# Altium PCB 400432.PcbDoc (part 2 of 6) (continued)
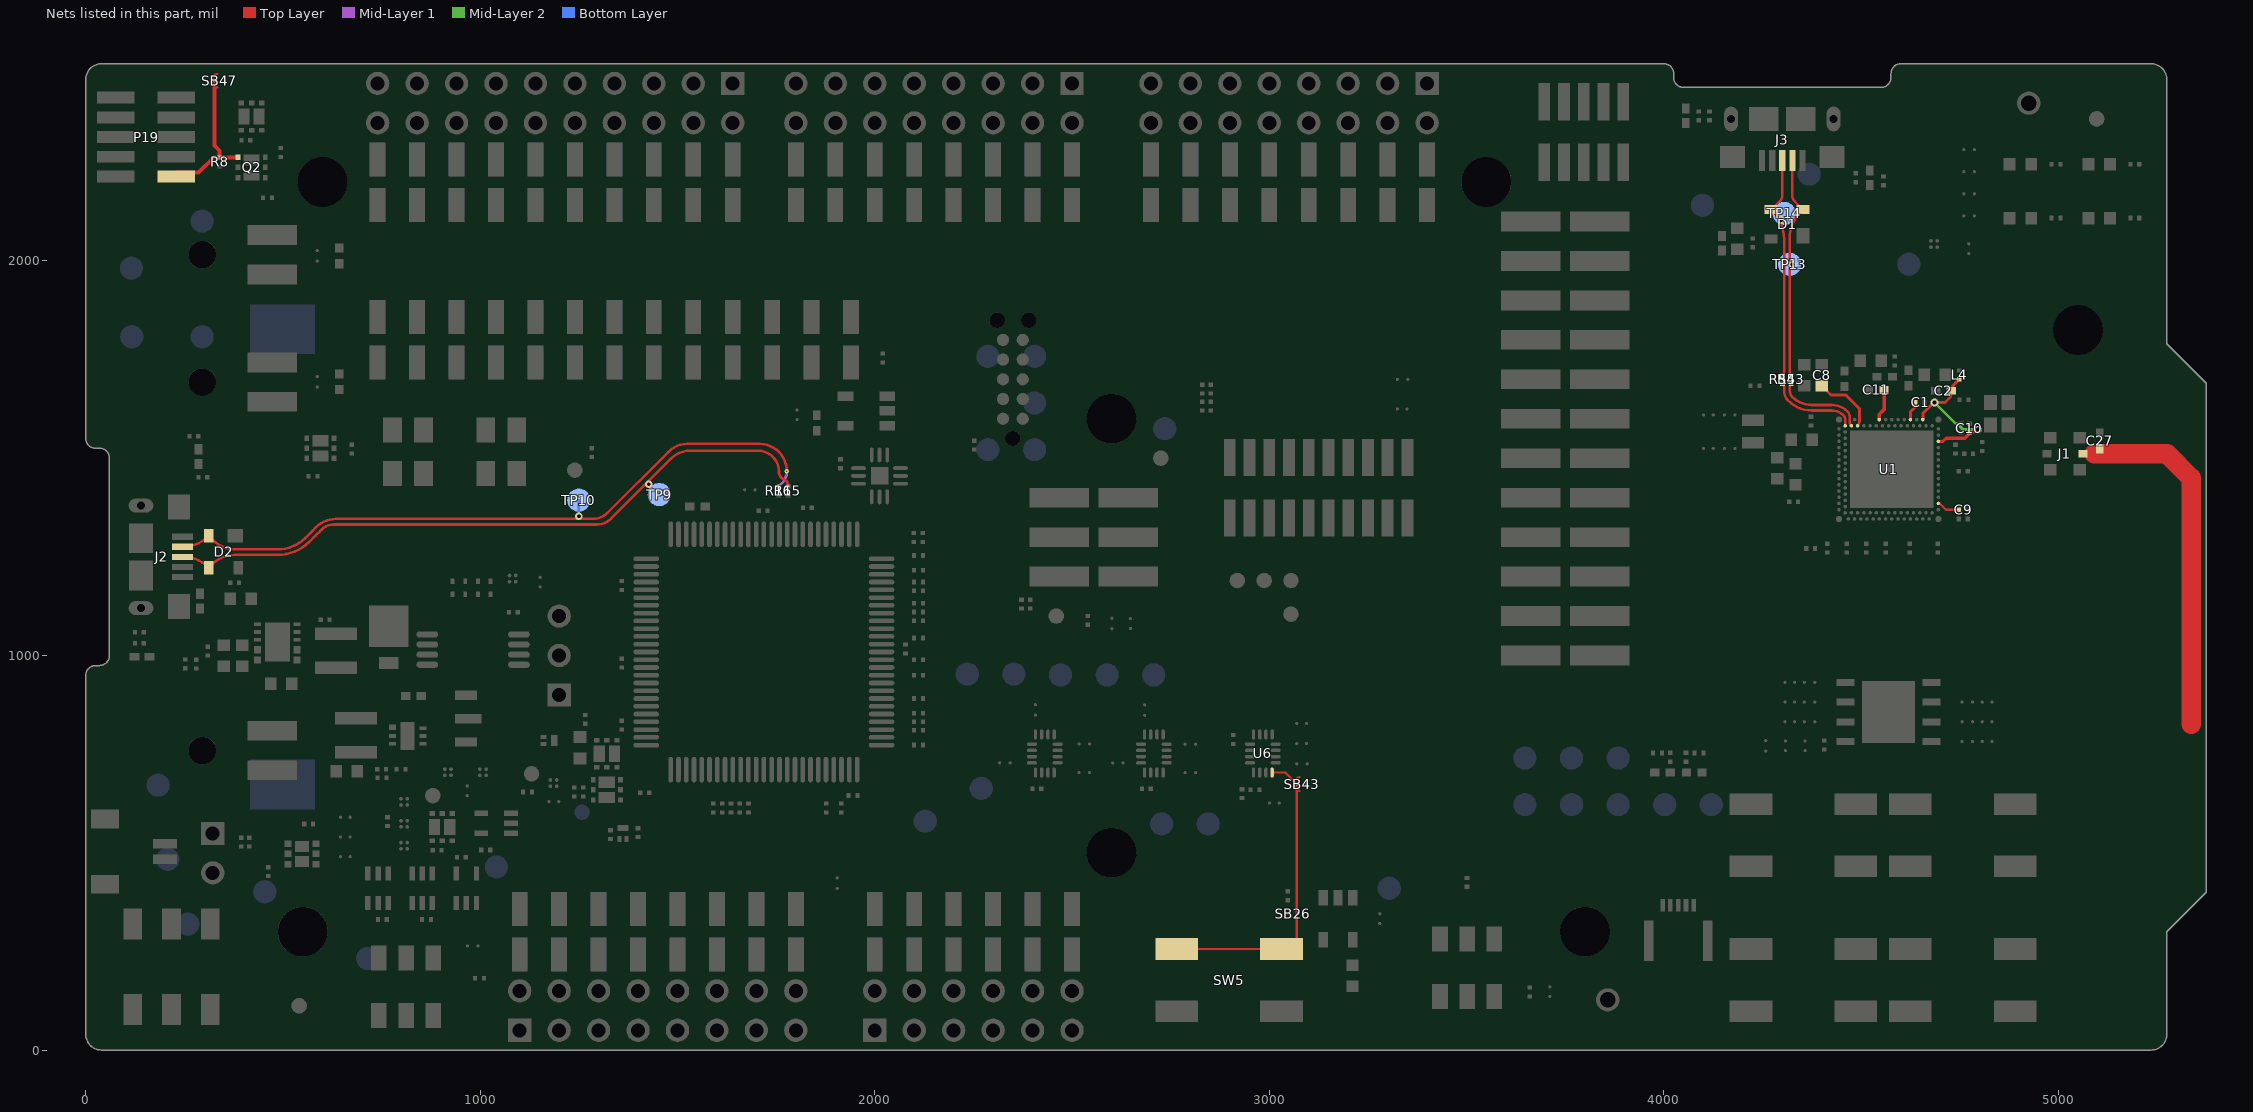
[diagram p4: the nets of this part, all layers, seen from the top]
## Part data (continued)
P24: library part "Socket 2x12 SMD", "Socket 2x12, 2.54mm (100mil), SMD", Manufacturer=W-CON, Manufacturer Part Number=2171-212MSNCUNR1, Part number IPS=N.A., Supplier Part Number 1=2171-212MS0CUNR1, Artikkelnr Noca=N.A., ComponentLink1Description=Datasheet, ComponentLink2Description="Supplier link", Footprint Doc=SOCKET_2x12_SMD-2.54mm, LatestRevisionDate=2019-08-05, Part Number="Socket 2x12 SMD", Pin Count=24, Published=2019-08-05, Publisher="Nordic Semiconductor", Supplier 1=Cabcon, Supplier 2=Samtec, Supplier Part Number 2=SSM-112-F-DV
P25: library part "Pin Header 2x10 SMD, 1.27mm, KS, N.C.", "Pin Header 2x10, 1.27mm (50mil), SMD, Keying Shroud", Manufacturer=W-CON, Manufacturer Part Number=3132-20MS0BK00R1, Part number IPS=N.A., Artikkelnr Noca=N.A., Assembly="Not mounted", ComponentLink1Description=Datasheet, ComponentLink2Description="Supplier link", Footprint Doc=HDR_2x10-SMD-1.27mm, LatestRevisionDate=2017-10-23, Part Number="Pin Header 2x10 SMD, 1.27mm, KS, N.C.", Pin Count=20, Published=2017-09-07, Publisher="Nordic Semiconductor", Supplier 1=Cabcon, Supplier 2=Digi-Key, Supplier Part Number 1=3132-20MS0BK00R1, Supplier Part Number 2=FTSH-110-01-F-DV-K-ND
P26: library part "Socket 1x12 SMD, N.C.", "Socket 1x12, 2.54mm (100mil), SMD", Manufacturer=W-CON, Manufacturer Part Number=2171-112MS0CUNR1, Part number IPS=N.A., Artikkelnr Noca=N.A., Assembly="Not mounted", ComponentLink1Description=Datasheet, ComponentLink2Description="Supplier link", Footprint Doc=SOCKET_1x12_SMD, LatestRevisionDate=2017-10-23, Part Number="Socket 1x12 SMD, N.C.", Pin Count=12, Published=2017-09-07, Publisher="Nordic Semiconductor", Supplier 1=Cabcon, Supplier 2=Samtec, Supplier Part Number 1=2171-112MS0CUNR1, Supplier Part Number 2=SSM-112-L-SV-P-TR
P27: library part "Pin List 1x2, N.C.", "Pin List 1x2, 2.54mm (100mil)", Part number IPS=N.A., Artikkelnr Noca=N.A., Assembly="Not mounted", ComponentLink1Description=Datasheet, ComponentLink2Description="Supplier link", Footprint Doc=LIST_1x2, LatestRevisionDate=2017-02-02, Part Number="Pin List 1x2, N.C.", Pin Count=2, Published=2017-01-30, Publisher="Nordic Semiconductor"
P28: library part "Pin List 1x3, N.C.", "Pin List 1x3, 2.54mm (100mil)", Part number IPS=N.A., Artikkelnr Noca=N.A., Assembly="Not mounted", ComponentLink1Description=Datasheet, ComponentLink2Description="Supplier link", Footprint Doc=LIST_1x3, LatestRevisionDate=2017-09-07, Part Number="Pin List 1x3, N.C.", Pin Count=3, Published=2017-09-07, Publisher="Nordic Semiconductor"
Q1 Q2 Q3 Q4 Q5 Q10: library part PMCPB5530X,115, "Mosfet Array N and P-Channel 20V 4A (Ta), 3.4A (Ta) 490mW Surface Mount 6-HUSON-EP (2x2)", Manufacturer=Nexperia, Part number IPS=N.A., Supplier Part Number 1=1727-1327-1-ND, Artikkelnr Noca=N.A., ComponentLink1Description=Datasheet, ComponentLink1URL=https://assets.nexperia.com/documents/data-sheet/PMCPB5530X.pdf, ComponentLink2Description="Supplier link", ComponentLink2URL=https://www.digikey.com/product-detail/en/nexperia-usa-inc/PMCPB5530X115/1727-1327-1-ND/4386339, Footprint Doc=6-UDFN, HelpURL=https://www.nexperia.com/products/mosfets/small-signal-mosfets/PMCPB5530X.html, LatestRevisionDate=2018-04-30, Manufacturer Part Number=PMCPB5530X,115, Part Number=PMCPB5530X,115, Pin Count=8, Published=2018-04-30, Publisher="Nordic Semiconductor", Supplier 1=Digi-Key, Supplier 2=Mouser, Supplier Part Number 2=771-PMCPB5530X115
Q6 Q9: "N-Channel MOSFET, 20V, 1A, 470mOhm, 400mW", Manufacturer="Rohm Semiconductor", Part number IPS=00000009976, Supplier Part Number 1=RV2C010UNT2LCT-ND, Artikkelnr Noca=35010020, ComponentLink1Description=Datasheet, ComponentLink2Description="Supplier link", Footprint Doc=DFN-3, HelpURL=http://rohmfs.rohm.com/en/products/databook/datasheet/discrete/transistor/mosfet/rv2c010unt2l-e.pdf, LatestRevisionDate=2016-08-09, Manufacturer Part Number=RV2C010UNT2L, Part Number=RV2C010UNT2L, Pin Count=3, Published=2016-08-09, Publisher="Nordic Semiconductor", Supplier 1=Digi-Key, Supplier 2=Mouser, Supplier Part Number 2=755-RV2C010UNT2L
Q7: "45V NPN high gain power transistor", Manufacturer="Diodes Incorporated", Part number IPS=00000009974, Supplier Part Number 1=FCX690BCT-ND, Artikkelnr Noca=35010019, ComponentLink1Description=Datasheet, ComponentLink2Description="Supplier link", Footprint Doc=SOT-89, HelpURL=http://www.diodes.com/_files/datasheets/FCX690B.pdf, LatestRevisionDate=2016-07-07, Manufacturer Part Number=FCX690BTA, Part Number=FCX690BTA, Pin Count=3, Published=2016-07-07, Publisher="Nordic Semiconductor", Supplier 1=Digi-Key
Q8: "Dual N Ch MOFET, 5.8A, 55mOhm max, 620mW", Manufacturer="Taiwan Semiconductor", Part number IPS=00000001703, Supplier Part Number 1=TSM250N02DCQRFGCT-ND, Artikkelnr Noca=N.A., ComponentLink1Description=Datasheet, ComponentLink1URL=https://www.taiwansemi.com/products/datasheet/TSM250N02D_B15.pdf, ComponentLink2Description="Supplier link", Footprint Doc=VDFN-6, HelpURL=https://www.taiwansemi.com/products/datasheet/TSM250N02D_B15.pdf, LatestRevisionDate=2018-10-31, Manufacturer Part Number="TSM250N02DCQ RFG", Part Number="TSM250N02DCQ RFG", Pin Count=6, Published=2018-10-31, Publisher="Nordic Semiconductor", Supplier 1=Digi-Key
R1: library part R0201-4R7, "Resistor, ±1%, 0.05W", Part number IPS=N.A., Artikkelnr Noca=N.A., ComponentLink1Description=Datasheet, ComponentLink2Description="Supplier link", Footprint Doc=0201, LatestRevisionDate=2014-11-13, Note="Chip Res 1%", Part Number=R0201-4R7, Pin Count=2, Published=2014-11-13, Publisher="Nordic Semiconductor"
R2 R3 R4 R5: library part R0201-220, "Resistor, ±1%, 0.05W", Part number IPS=00000000863, Artikkelnr Noca=N.A., ComponentLink1Description=Datasheet, ComponentLink2Description="Supplier link", Footprint Doc=0201, LatestRevisionDate=2014-11-13, Note="Chip Res 1%", Part Number=R0201-220, Pin Count=2, Published=2014-11-13, Publisher="Nordic Semiconductor"
R6 R32 R34 R37 R39 R40 R41 R47 R71: library part R0201-100k, "Resistor, ±1%, 0.05W", Part number IPS=00000001419, Artikkelnr Noca=N.A., ComponentLink1Description=Datasheet, ComponentLink2Description="Supplier link", Footprint Doc=0201, LatestRevisionDate=2014-11-13, Note="Chip Res 1%", Part Number=R0201-100k, Pin Count=2, Published=2014-11-13, Publisher="Nordic Semiconductor"
R7 R8 R9 R10 R26 R44 R55 R56: library part R0201-10k, "Resistor, ±1%, 0.05W", Part number IPS=00000001255, Artikkelnr Noca=N.A., ComponentLink1Description=Datasheet, ComponentLink2Description="Supplier link", Footprint Doc=0201, LatestRevisionDate=2014-11-13, Note="Chip Res 1%", Part Number=R0201-10k, Pin Count=2, Published=2014-11-13, Publisher="Nordic Semiconductor"
  R55: Assembly=N.C.
R11: library part R0201-120, "Resistor, ±1%, 0.05W", Part number IPS=N.A., Artikkelnr Noca=N.A., ComponentLink1Description=Datasheet, ComponentLink2Description="Supplier link", Footprint Doc=0201, LatestRevisionDate=2014-11-13, Note="Chip Res 1%", Part Number=R0201-120, Pin Count=2, Published=2014-11-13, Publisher="Nordic Semiconductor"
R12 R42 R45 R70: library part R0201-N.C., "Not mounted", Part number IPS=N.A., Artikkelnr Noca=N.A., ComponentLink1Description=Datasheet, ComponentLink2Description="Supplier link", Footprint Doc=0201, LatestRevisionDate=2014-11-13, Note="Chip Res", Part Number=R0201-N.C., Pin Count=2, Published=2014-11-13, Publisher="Nordic Semiconductor"
  R12 R70: Assembly="Not mounted"
R13 R31 R36: library part R0201-1M0, "Resistor, ±1%, 0.05W", Part number IPS=N.A., Artikkelnr Noca=N.A., ComponentLink1Description=Datasheet, ComponentLink2Description="Supplier link", Footprint Doc=0201, LatestRevisionDate=2014-11-13, Note="Chip Res 1%", Part Number=R0201-1M0, Pin Count=2, Published=2014-11-13, Publisher="Nordic Semiconductor"
R14 R17 R18 R19 R21 R22 R23 R25 R27 R28 R30 R33 R35 R38 R76: library part R0201-150, "Resistor, ±1%, 0.05W", Part number IPS=N.A., Artikkelnr Noca=N.A., ComponentLink1Description=Datasheet, ComponentLink2Description="Supplier link", Footprint Doc=0201, LatestRevisionDate=2014-11-13, Note="Chip Res 1%", Part Number=R0201-150, Pin Count=2, Published=2014-11-13, Publisher="Nordic Semiconductor"
R15 R16: library part R0201-33R, "Resistor, ±1%, 0.05W", Part number IPS=N.A., Artikkelnr Noca=N.A., ComponentLink1Description=Datasheet, ComponentLink2Description="Supplier link", Footprint Doc=0201, LatestRevisionDate=2014-11-13, Note="Chip Res 1%", Part Number=R0201-33R, Pin Count=2, Published=2014-11-13, Publisher="Nordic Semiconductor"
R48 R49: library part R0201-4k7, "Resistor, ±1%, 0.05W", Part number IPS=00000001706, Artikkelnr Noca=N.A., ComponentLink1Description=Datasheet, ComponentLink2Description="Supplier link", Footprint Doc=0201, LatestRevisionDate=2014-11-13, Note="Chip Res 1%", Part Number=R0201-4k7, Pin Count=2, Published=2014-11-13, Publisher="Nordic Semiconductor"
R50: library part R0201-47k, "Resistor, ±1%, 0.05W", Part number IPS=00000001423, Artikkelnr Noca=N.A., ComponentLink1Description=Datasheet, ComponentLink2Description="Supplier link", Footprint Doc=0201, LatestRevisionDate=2014-11-13, Note="Chip Res 1%", Part Number=R0201-47k, Pin Count=2, Published=2014-11-13, Publisher="Nordic Semiconductor"
R51 R57 R68 R69 R72 R74: library part R0201-1M0, "Resistor, ±1%, 0.05W", Part number IPS=00000001418, Artikkelnr Noca=N.A., ComponentLink1Description=Datasheet, ComponentLink2Description="Supplier link", Footprint Doc=0201, LatestRevisionDate=2014-11-13, Note="Chip Res 1%", Part Number=R0201-1M0, Pin Count=2, Published=2014-11-13, Publisher="Nordic Semiconductor"
R52: library part R0201-150k, "Resistor, ±1%, 0.05W", Part number IPS=00000001422, Artikkelnr Noca=N.A., ComponentLink1Description=Datasheet, ComponentLink2Description="Supplier link", Footprint Doc=0201, LatestRevisionDate=2014-11-13, Note="Chip Res 1%", Part Number=R0201-150k, Pin Count=2, Published=2014-11-13, Publisher="Nordic Semiconductor"
R58: library part R0201-1k0, "Resistor, ±1%, 0.05W", Part number IPS=00000005786, Artikkelnr Noca=N.A., ComponentLink1Description=Datasheet, ComponentLink2Description="Supplier link", Footprint Doc=0201, LatestRevisionDate=2014-11-13, Note="Chip Res 1%", Part Number=R0201-1k0, Pin Count=2, Published=2014-11-13, Publisher="Nordic Semiconductor"
R59: library part R0201-270k, "Resistor, ±1%, 0.05W", Part number IPS=N.A., Artikkelnr Noca=N.A., ComponentLink1Description=Datasheet, ComponentLink2Description="Supplier link", Footprint Doc=0201, LatestRevisionDate=2014-11-13, Note="Chip Res 1%", Part Number=R0201-270k, Pin Count=2, Published=2014-11-13, Publisher="Nordic Semiconductor"
R60: library part R0201-330k, "Resistor, ±1%, 0.05W", Part number IPS=00000001424, Artikkelnr Noca=N.A., ComponentLink1Description=Datasheet, ComponentLink2Description="Supplier link", Footprint Doc=0201, LatestRevisionDate=2014-11-13, Note="Chip Res 1%", Part Number=R0201-330k, Pin Count=2, Published=2014-11-13, Publisher="Nordic Semiconductor"
R61 R73: library part R0201-10M, "Resistor, ±1%, 0.05W", Part number IPS=00000001426, Artikkelnr Noca=N.A., ComponentLink1Description=Datasheet, ComponentLink2Description="Supplier link", Footprint Doc=0201, LatestRevisionDate=2014-11-13, Note="Chip Res 1%", Part Number=R0201-10M, Pin Count=2, Published=2014-11-13, Publisher="Nordic Semiconductor"
R62: library part R0201-30k, "Resistor, ±1%, 0.05W", Part number IPS=N.A., Artikkelnr Noca=N.A., ComponentLink1Description=Datasheet, ComponentLink2Description="Supplier link", Footprint Doc=0201, LatestRevisionDate=2016-04-20, Note="Chip Res 1%", Part Number=R0201-30k, Pin Count=2, Published=2016-04-20, Publisher="Nordic Semiconductor"
R63: library part R0201-120k, "Resistor, ±1%, 0.05W", Part number IPS=00000001425, Artikkelnr Noca=N.A., ComponentLink1Description=Datasheet, ComponentLink2Description="Supplier link", Footprint Doc=0201, LatestRevisionDate=2014-11-13, Note="Chip Res 1%", Part Number=R0201-120k, Pin Count=2, Published=2014-11-13, Publisher="Nordic Semiconductor"
R64 R67: library part R0402-N.C., "Not mounted", Part number IPS=N.A., Artikkelnr Noca=N.A., Assembly="Not mounted", ComponentLink1Description=Datasheet, ComponentLink2Description="Supplier link", Footprint Doc=0402, LatestRevisionDate=2009-05-08, Note="Chip Res", Part Number=R0402-N.C., Pin Count=2, Published=2009-05-08, Publisher="Nordic Semiconductor"
R65: library part R0201-820k, "Resistor, ±1%, 0.05W", Part number IPS=00000001427, Artikkelnr Noca=N.A., ComponentLink1Description=Datasheet, ComponentLink2Description="Supplier link", Footprint Doc=0201, LatestRevisionDate=2014-11-13, Note="Chip Res 1%", Part Number=R0201-820k, Pin Count=2, Published=2014-11-13, Publisher="Nordic Semiconductor"
R66: library part R0201-470k, "Resistor, ±1%, 0.05W", Part number IPS=00000001428, Artikkelnr Noca=N.A., ComponentLink1Description=Datasheet, ComponentLink2Description="Supplier link", Footprint Doc=0201, LatestRevisionDate=2014-11-13, Note="Chip Res 1%", Part Number=R0201-470k, Pin Count=2, Published=2014-11-13, Publisher="Nordic Semiconductor"
R75: library part R0201-205, "Resistor, ±1%, 0.05W", Part number IPS=N.A., Artikkelnr Noca=N.A., ComponentLink1Description=Datasheet, ComponentLink2Description="Supplier link", Footprint Doc=0201, LatestRevisionDate=2019-05-20, Note="Chip Res 1%", Part Number=R0201-205, Pin Count=2, Published=2019-05-20, Publisher="Nordic Semiconductor"
SB1 SB2: library part "Solderbridge Shorted", "Shorted Solderbridge", Artikkelnr Noca=N.A., Artikkelnr Simpro=N.A., Footprint Doc=Solderbridge_Shorted, LatestRevisionDate=2012-08-07, Part Number="Solderbridge Shorted", Pin Count=2, Published=2012-08-07, Publisher="Nordic Semiconductor"
SB5 SB6 SB7 SB8 SB10 SB11 SB12 SB13 SB14 SB15 SB16 SB19 SB26 SB33 SB38 SB40 SB41 SB42 SB50 SB51 SB52 SB53 SB54 SB55 SB56 SB57 SB58 SB60: library part "Solderbridge Shorted", "Shorted Solderbridge", Part number IPS=N.A., Artikkelnr Noca=N.A., ComponentLink1Description=Datasheet, ComponentLink2Description="Supplier link", Footprint Doc=Solderbridge_Shorted, LatestRevisionDate=2012-08-07, Part Number="Solderbridge Shorted", Pin Count=2, Published=2012-08-07, Publisher="Nordic Semiconductor"
SB9 SB17 SB18 SB20 SB21 SB22 SB23 SB24 SB25 SB31 SB32 SB34 SB35 SB36 SB37 SB39 SB43 SB44 SB45 SB46 SB47 SB48 SB59 SB80 SB81: Part number IPS=N.A., Artikkelnr Noca=N.A., ComponentLink1Description=Datasheet, ComponentLink2Description="Supplier link", Footprint Doc=Solderbridge, LatestRevisionDate=2009-12-14, Part Number=Solderbridge, Pin Count=2, Published=2009-12-14, Publisher="Nordic Semiconductor"
SW1 SW2 SW3 SW4 SW5: library part Switch-PB-6.2x6.3mm-SMD, "Tactile Switch, SPNO, SMD, 160gf, 6.2x6.3x2.5mm", Manufacturer=Dailywell, Manufacturer Part Number=TS604VM1-025BR-R, Part number IPS=00000007812, Artikkelnr Noca=50019106, ComponentLink1Description=Datasheet, ComponentLink2Description="Supplier link", Footprint Doc=Switch-PB-6.2x6.3mm-SMD, HelpURL=\\hizz\pro\app9717\Datasheet\switches\Dailywell\TS604VM1-025BR-R.pdf, LatestRevisionDate=2016-04-21, Part Number=Switch-PB-6.2x6.3mm-SMD, Pin Count=4, Published=2010-02-01, Publisher="Nordic Semiconductor", Supplier 1=Cabcon, Supplier 2=Mouser, Supplier Part Number 1=TS604VM1-025BR-R, Supplier Part Number 2=688-SKHUALE010
SW6 SW10: "Slide Switch DPDT J Hook", Manufacturer="Copal Electronics Inc", Part number IPS=00000009983, Supplier Part Number 1=CAS220JTR-ND, Artikkelnr Noca=50019042, ComponentLink1Description=Datasheet, ComponentLink2Description="Supplier link", Footprint Doc=CAS-220TA, HelpURL=http://media.digikey.com/pdf/Data%20Sheets/COPAL%20Electronics%20PDFs/CAS%20SMD%20Slide%20Switch.pdf, LatestRevisionDate=2010-02-18, Manufacturer Part Number=CAS-220TA, Part Number=CAS-220TA, Pin Count=6, Published=2010-02-18, Publisher="Nordic Semiconductor", Supplier 1=Digi-Key
SW8: "Slide Switch DPDT", Manufacturer=Dailywell, Part number IPS=N.A., Artikkelnr Noca=50019112, ComponentLink1Description=Datasheet, ComponentLink2Description="Supplier link", Footprint Doc=MKH-22D14-G2-B, HelpURL=\\hizz\pro\app9717\Datasheet\switches\Dailywell\MKH-22D14-G2-B.pdf, LatestRevisionDate=2016-08-18, Manufacturer Part Number=MKH-22D14-G2-B, Part Number=MKH-22D14-G2-B, Pin Count=6, Published=2016-08-18, Publisher="Nordic Semiconductor"
SW9: "Slide Switch DP3T 300mA 6V", Manufacturer="C&K Components", Part number IPS=N.A., Supplier Part Number 1=CKN10725CT-ND, Artikkelnr Noca=50019116, ComponentLink1Description=Datasheet, ComponentLink2Description="Supplier link", Footprint Doc=Switch-Slide-J-Lead-DP3T-13x3.5mm, HelpURL=http://www.ckswitches.com/media/1422/js.pdf, LatestRevisionDate=2016-10-05, Manufacturer Part Number=JS203011JCQN, Part Number=JS203011JCQN, Pin Count=8, Published=2016-10-05, Publisher="Nordic Semiconductor", Supplier 1=Digi-Key
TP1 TP2 TP3 TP4 TP5 TP6 TP7 TP8 TP9 TP10 TP11 TP12 TP13 TP14 TP15 TP16 TP17 TP18 TP20 TP21 TP22 TP23 TP24 TP25 TP26 TP27 TP28 TP30 TP31 TP32 TP37 TP38 TP39 TP42 TP43 TP44 TP45 TP46 TP47 TP48 TP49: library part TP_SMD_Ø1.5MM, "1.0mm circular SMD testpad", Manufacturer="Nordic Semiconductor", Part number IPS=N.A., Artikkelnr Noca=N.A., ComponentLink1Description=Datasheet, ComponentLink2Description="Supplier link", Footprint Doc=TP_SMD_Ø1.5mm, LatestRevisionDate=2016-06-02, Part Number=TP_SMD_Ø1.5MM, Pin Count=1, Published=2016-06-02, Publisher="Nordic Semiconductor"
TP19 TP29 TP33 TP34 TP35 TP36 TP50 TP51 TP52 TP53: library part TP_SMD_Ø1.0MM, "1.0mm circular SMD testpad", Manufacturer="Nordic Semiconductor", Part number IPS=N.A., Artikkelnr Noca=N.A., ComponentLink1Description=Datasheet, ComponentLink2Description="Supplier link", Footprint Doc=TP_SMD_Ø1.0mm, LatestRevisionDate=2013-06-11, Part Number=TP_SMD_Ø1.0MM, Pin Count=1, Published=2013-06-11, Publisher="Nordic Semiconductor"
TP40 TP41: library part "Testpoint TH", "Testpoint, through hole", Part number IPS=N.A., Artikkelnr Noca=N.A., ComponentLink1Description=Datasheet, ComponentLink2Description="Supplier link", Footprint Doc=TESTPAD-TH, LatestRevisionDate=2009-12-12, Part Number="Testpoint TH", Pin Count=1, Published=2009-12-12, Publisher="Nordic Semiconductor"
U1: library part nRF5340-QKAAAA, "Multi-protocol Bluetooth Low Energy, IEEE 802.15.4, ANT and 2.4GHz proprietary system-on-chip", Manufacturer="Nordic Semiconductor", Part number IPS=N.A., Artikkelnr Noca=N.A., ComponentLink1Description=Datasheet, ComponentLink2Description="Supplier link", Footprint Doc=AQFN-98, LatestRevisionDate=2019-03-28, Part Number=nRF5340-QKAAAA, Pin Count=98, Published=2017-01-09, Publisher="Nordic Semiconductor", Supplier 1="Nordic Semiconductor", Supplier Part Number 1=nRF5340-QKAAAA
U2: "100MHz Cortex-M4F Performance MCU, 128kB Flash, 24kB SRAM, Full-Speed USB", Manufacturer=NXP, Part number IPS=00000001366, Supplier Part Number 1=MK22FN128VLL10-ND, Artikkelnr Noca=N.A., ComponentLink1Description=Datasheet, ComponentLink1URL=http://cache.freescale.com/files/microcontrollers/doc/data_sheet/K22P121M100SF9.pdf, ComponentLink2Description="Supplier link", ComponentLink2URL=https://cache.nxp.com/docs/en/package-information/98ASS23308W.pdf, Footprint Doc=LQFP-100, LatestRevisionDate=2019-03-01, Manufacturer Part Number=MK22FN128VLL10, Part Number=MK22FN128VLL10, Pin Count=100, Published=2018-05-10, Publisher="Nordic Semiconductor", Supplier 1=Digi-Key, Supplier 2=Mouser, Supplier Part Number 2=841-MK22FN128VLL10
U3 U5 U6: "Data / Audio Low-Voltage Dual DPDT Analog Switch", Manufacturer="Fairchild Semiconductor", Part number IPS=00000009986, Supplier Part Number 1=FSA2466UMXCT-ND, Artikkelnr Noca=15070069, ComponentLink1Description=Datasheet, ComponentLink2Description="Supplier link", Footprint Doc=UFQFN-16, HelpURL=https://www.fairchildsemi.com/datasheets/FS/FSA2466.pdf, LatestRevisionDate=2016-05-18, Manufacturer Part Number=FSA2466UMX, Part Number=FSA2466UMX, Pin Count=16, Published=2016-05-18, Publisher="Nordic Semiconductor", Supplier 1=Digi-Key, Supplier 2=Mouser, Supplier Part Number 2=512-FSA2466UMX
U4 U12 U13 U14 U17 U19 U22 U23: "Semtech, 2A Low Vin, Very Low Ron, Load Switch, 4DSBGA", Manufacturer="Semtech Corporation", Part number IPS=N.A., Supplier Part Number 1=SC728CSTRTCT-ND, Artikkelnr Noca=15070081, ComponentLink1Description=Datasheet, ComponentLink2Description="Supplier link", Footprint Doc=WCSP-4, HelpURL=http://www.semtech.com/images/datasheet/sc728.pdf, LatestRevisionDate=2015-01-01, Manufacturer Part Number=SC728CSTRT, Part Number=SC728CSTRT, Pin Count=4, Published=2016-06-16, Publisher="Nordic Semiconductor", Supplier 1=Digi-Key, Supplier 2=Mouser, Supplier Part Number 2=947-SC728CSTRT
U7: library part MX25R6435FZNIL0, "Ultra low power, 64M-bit, serial multi I/O flash memory", Manufacturer=Macronix, Part number IPS=N.A., Artikkelnr Noca=15020015, ComponentLink1Description=Datasheet, ComponentLink2Description="Supplier link", Footprint Doc=WSON-8, HelpURL=http://www.macronix.com/Lists/Datasheet/Attachments/3881/MX25R6435F,%20Wide%20Range,%2064Mb,%20v1.3.pdf, LatestRevisionDate=2016-06-29, Manufacturer Part Number=MX25R6435FZNIL0, Part Number=MX25R6435FZNIL0, Pin Count=8, Published=2016-06-29, Publisher="Nordic Semiconductor", Supplier 1=Future, Supplier 2=Arrow, Supplier Part Number 1=MX25R6435FZNIL0, Supplier Part Number 2=MX25R6435FZNIL0
U8: "POWER DOWN FAULT PROTECTED,1.8VT", Manufacturer="Vishay Siliconix", Manufacturer Part Number=DG2034EDN-T1-GE4, Part number IPS=N.A., Supplier Part Number 1=DG2034EDN-T1-GE4CT-ND, Artikkelnr Noca=N.A., ComponentLink1Description=Datasheet, ComponentLink1URL=http://www.vishay.com/docs/73172/dg2034e.pdf, ComponentLink2Description="Supplier link", Footprint Doc=12-QFN, LatestRevisionDate=2018-05-30, Part Number=DG2034EDN, Pin Count=12, Published=2018-05-30, Publisher="Nordic Semiconductor", Supplier 1=Digi-Key, Supplier 2=Mouser, Supplier Part Number 2=78-DG2034EDN-T1-GE4
U9: "Precision very low power CMOS dual operational amplifier", Manufacturer=STMicroelectronics, Part number IPS=00000009991, Supplier Part Number 1=497-8085-1-ND, Artikkelnr Noca=17010019, ComponentLink1Description=Datasheet, ComponentLink2Description="Supplier link", Footprint Doc=TSSOP-8, HelpURL=http://www.st.com/content/ccc/resource/technical/document/datasheet/38/5b/ca/bd/c0/26/4a/34/CD00000880.pdf/files/CD00000880.pdf/jcr:content/translations/en.CD00000880.pdf, LatestRevisionDate=2016-07-07, Manufacturer Part Number=TS27L2IPT, Part Number=TS27L2IPT, Pin Count=8, Published=2016-07-07, Publisher="Nordic Semiconductor", Supplier 1=Digi-Key
U10: library part XC9131H05CDR-G, "1A Driver Transistor Built-In, Multi Functional Step-Up DC/DC Converter", Manufacturer="Torex Semiconductor", Part number IPS=N.A., Supplier Part Number 1=XC9131H05CDR-G-ND, Artikkelnr Noca=17030086, ComponentLink1Description=Datasheet, ComponentLink2Description="Supplier link", Footprint Doc=UFDFN-10, HelpURL=http://www.torexsemi.com/products/dcdc_converters/data/XC9131.pdf, LatestRevisionDate=2016-08-08, Manufacturer Part Number=XC9131H05CDR-G, Part Number=XC9131H05CDR-G, Pin Count=10, Published=2016-08-08, Publisher="Nordic Semiconductor", Supplier 1=Digi-Key
U11: library part XC9236D08CER-G, "600mA Driver Transistor Built-In, Synchronous Step-Down DC/DC Converters", Manufacturer="Torex Semiconductor", Part number IPS=N.A., Supplier Part Number 1=865-XC9236D08CER-G, Artikkelnr Noca=17030085, ComponentLink1Description=Datasheet, ComponentLink2Description="Supplier link", Footprint Doc=USP-6C, HelpURL=http://www.torexsemi.com/products/dcdc_converters/data/XC9235~37.pdf, LatestRevisionDate=2017-11-15, Manufacturer Part Number=XC9236D08CER-G, Part Number=XC9236D08CER-G, Pin Count=6, Published=2017-11-15, Publisher="Nordic Semiconductor", Supplier 1=Mouser, Supplier 2=Digi-Key, Supplier Part Number 2=XC9236D08CER-G-ND
U15 U20: library part TCK106AF,LF, "1.0 A Load Switch IC with Slew Rate Control Driver in Small Package", Manufacturer=Toshiba, Part number IPS=00000007823, Supplier Part Number 1=TCK106AFLFCT-ND, Artikkelnr Noca=15070086, ComponentLink1Description=Datasheet, ComponentLink2Description="Supplier link", Footprint Doc=SOT-25, HelpURL=https://toshiba.semicon-storage.com/info/docget.jsp?did=53240&prodName=TCK108AF, LatestRevisionDate=2016-09-29, Manufacturer Part Number=TCK106AF,LF, Part Number=TCK106AF,LF, Pin Count=5, Published=2016-09-29, Publisher="Nordic Semiconductor", Supplier 1=Digi-Key
U16 U24: library part 74LVC1G08GW, "Single 2-Input AND Gate", Manufacturer="NXP Semiconductors", Part number IPS=00000009992, Supplier Part Number 1=568-1580-1-ND, Artikkelnr Noca=15049058, ComponentLink1Description=Datasheet, ComponentLink2Description="Supplier link", Footprint Doc=SC70-5, HelpURL=http://www.nxp.com/documents/data_sheet/74LVC1G08.pdf, LatestRevisionDate=2016-10-18, Manufacturer Part Number=74LVC1G08GW, Note="Single 2-Input AND Gate", Part Number=74LVC1G08GW, Pin Count=5, Published=2016-10-18, Publisher="Nordic Semiconductor", Supplier 1=Digi-Key, Supplier 2=Farnell, Supplier Part Number 2=242-8299
U18 U21: library part 74LVC1G11GW, "Single 3-input AND gate", Manufacturer="NXP Semiconductors", Part number IPS=00000001430, Supplier Part Number 1=568-7757-1-ND, Artikkelnr Noca=15079348, ComponentLink1Description=Datasheet, ComponentLink2Description="Supplier link", Footprint Doc=SC70-6, HelpURL=http://www.nxp.com/documents/data_sheet/74LVC1G11.pdf, LatestRevisionDate=2016-10-18, Manufacturer Part Number=74LVC1G11GW, Note="Single 3-input AND gate", Part Number=74LVC1G11GW, Pin Count=6, Published=2016-10-18, Publisher="Nordic Semiconductor", Supplier 1=Digi-Key, Supplier 2=Farnell, Supplier Part Number 2=243-8826
X1: library part XTAL_SMD2016_32MHz_8pF_Kyocera_HT, "XTAL SMD 2016, 32MHz, Cl=8pF, ±40ppm, -40°C ~ 105°C", Manufacturer=Kyocera, Manufacturer Part Number=CX2016DB32000D0WRRC1, Part number IPS=N.A., Artikkelnr Noca=N.A., ComponentLink1Description=Datasheet, ComponentLink2Description="Supplier link", Footprint Doc=XTAL_2016, HelpURL=http://projecttools.nordicsemi.no/confluence/download/attachments/16544873/CX2016DB32000D0WRRC1%2015236-00.pdf?version=1&modificationDate=1441719736227&api=v2, LatestRevisionDate=2015-12-22, Note="XTAL SMD 32.000MHz", Part Number=XTAL_SMD2016_32MHz_8pF_Kyocera_HT, Pin Count=4, Published=2015-12-23, Publisher="Nordic Semiconductor"
X2: library part XTAL_SMD2012_32.768kHz_9pF_General, "XTAL SMD 2012, 32.768kHz, Cl=9pF, Total Tol: ±50ppm", Part number IPS=N.A., Artikkelnr Noca=N.A., ComponentLink1Description=Datasheet, ComponentLink2Description="Supplier link", Footprint Doc=XTAL_2012, LatestRevisionDate=2017-01-11, Note="XTAL SMD 32.768kHz", Part Number=XTAL_SMD2012_32.768kHz_9pF_General, Pin Count=2, Published=2016-08-19, Publisher="Nordic Semiconductor"
SB3 SB4: Artikkelnr Noca=N.A., Artikkelnr Simpro=N.A., Footprint Doc=Solderbridge, LatestRevisionDate=2009-12-14, Part Number=Solderbridge, Pin Count=2, Published=2009-12-14, Publisher="Nordic Semiconductor"

## Free pads (board coordinates)
  round 126 hole 126 unplated: 1(550,300) 1(600,2200) 1(2600,500) 1(2600,1600) 1(3550,2200) 1(3800,300) 1(5050,1825)
  round 13.78 on Mech16: 1(593,1506) 1(3790.5,1111) 1(3855,1111) 1(4356.4,1683.81) 1(4459.75,1361.76) 1(4459.75,1377.51) 1(4459.75,1393.26) 1(4459.75,1409.01) 1(4459.75,1424.76) 1(4459.75,1440.5) 1(4459.75,1456.25) 1(4459.75,1487.75) 1(4459.75,1503.5) 1(4475.5,1361.76) 1(4491.24,1361.76) 1(4506.99,1361.76) 1(4522.74,1361.76) 1(4538.49,1361.76) 1(4554.24,1361.76) 1(4554.24,1582.24) 1(4569.98,1361.76) 1(4569.98,1582.24) 1(4577.86,1597.98) 1(4585.73,1361.76) 1(4585.73,1582.24) 1(4601.48,1361.76) 1(4601.48,1582.24) 1(4617.23,1361.76) 1(4617.23,1582.24) 1(4632.98,1361.76) 1(4632.98,1582.24) 1(4648.72,1361.76) 1(4664.47,1361.76) 1(4680.22,1361.76)

## Via types
v1: diameter 19.68, hole 9.84, Top Layer to Bottom Layer, tented both sides, 1445 vias
v2: diameter 11.81, hole 3.94, Top Layer to Mid-Layer 1, tented top, 456 vias
v3: diameter 24, hole 12, Top Layer to Bottom Layer, tented both sides, 28 vias

## Nets (pads, with @x,y where several pads share a name; then routed paths per layer and width w, separated by ;. In a path a pad name is that pad's centre, name@x,y a point inside that pad or via, vN(x,y) a via of type N, cw(c..) or ccw(c..) an arc to the next point about the centre after c; other vN are vias at no path point)
ANT: C27.1 J1.3 | length 895.1
  Top Layer w50: 5090.67,1511.46 5275.28,1511.46 5336.67,1450.07 5336.67,826.39
BOOT/RESET: SB26.1 SB43.1 SW5.2 U6.16 | length 784.4
  Top Layer w6: SW5.2@2765.12,255.97 SW5.2@3030.87,255.97 3061.97,255.97 3069.7,263.7 3069.7,425 3069.7,660.1 SB43.1@3069.7,674 ; U6.16@3007.29,703.39 3040.31,703.39 3063.84,679.86
D*_N: D1.2 J3.2 R53.2 TP13.1 | length 574.1
  Top Layer w6.5: R53.2@4323,1711.22 cw(c4332.66,1720.88) 4319,1720.88 4319,1991.26 4319,2055.31 cw(c4419,2055.31) 4348.29,2126.02 D1.2@4352.59,2130.32 4331.52,2151.4 cw(c4345.66,2165.54) 4325.66,2165.54 J3.2@4325.66,2264.37
  other v1: 4326,1991.26
D*_P: D1.3 J3.3 R54.2 TP14.1 | length 564.9
  Top Layer w6.5: D1.3@4271.88,2130.32 4275.71,2126.5 cw(c4205,2055.79) 4305,2055.79 4305,1720.88 cw(c4291.34,1720.88) R54.2@4301,1711.22 ; D1.3@4272.81,2129.94 4294.29,2151.42 ; 4294.31,2151.4 ccw(c4280.17,2165.54) 4300.16,2165.54 4300.17,2254.46 J3.3@4300.35,2254.65
  other v1: 4297,2103.37
D_N: R53.1 U1.B4 | length 224.8
  Top Layer w6.5: R53.1@4323,1688.78 ccw(c4332.66,1679.12) 4319,1679.12 4319,1671 ccw(c4340.72,1671) 4325.35,1655.65 ccw(c4375.21,1705.5) 4375.21,1635 4426.03,1635 cw(c4426.03,1580.03) 4464.9,1618.9 cw(c4450.16,1604.16) 4471,1604.16 4471,1593.09 ccw(c4486.35,1593.09) U1.B4@4475.5,1582.24
D_P: R54.1 U1.B2 | length 224.7
  Top Layer w6.5: R54.1@4301,1688.78 cw(c4291.34,1679.12) 4305,1679.12 4305,1671 ccw(c4340.72,1671) 4315.46,1645.74 ccw(c4375.2,1705.48) 4375.2,1621 4426.03,1621 cw(c4426.03,1580.03) 4455,1609 cw(c4443.54,1597.54) 4459.75,1597.54 U1.B2@4459.75,1582.24 U1.B2@4460,1582.49
DECA: C11.2 U1.A13 | length 159.8
  Top Layer w8.86: 4546.36,1611.76 U1.A13@4546.36,1597.98 4546.36,1611.76 ; 4546.36,1611.76 4558.17,1623.57 ; 4546.36,1611.76 4558.17,1623.57 ; 4558.17,1623.57 C11.2@4558.17,1672.98 4558.17,1623.57
DECF: C9.2 U1.AG31 | length 116.6
  Top Layer w5.91: U1.AG31@4699.32,1385.39 4715.07,1369.64 ; U1.AG31@4699.32,1385.39 U1.AG31@4695.97,1385.39 U1.AG31@4699.32,1385.39 ; U1.AG31@4699.32,1385.39 4715.07,1369.64 ; 4715.07,1369.64 C9.2@4747.74,1369.64 4715.07,1369.64
DECN: C1.1 U1.A23 | length 97.5
  Top Layer w7.87: 4625.1,1618.14 U1.A23@4625.1,1597.98 4625.1,1618.14 ; 4625.1,1618.14 4638.25,1631.29 ; 4625.1,1618.14 4638.25,1631.29 ; 4638.25,1631.29 C1.1@4638.25,1641.29 4638.25,1631.29
DECR: C2.2 C10.1 L4.1 U1.A27 U1.G31 | length 586.2
  Top Layer w7.87: U1.A27@4656.6,1597.98 4656.6,1613.45 ; C2.2@4727.47,1670.82 C2.2@4727.96,1671.31 ; L4.1@4749.12,1700.35 4726.48,1677.71 4726.48,1655.07 ; 4656.6,1613.45 v1@4684.44,1641.29 ; 4656.6,1613.45 v1@4684.44,1641.29 ; v1@4684.44,1641.29 4712.7,1641.29 ; v1@4684.44,1641.29 v1(4686.13,1641.29) 4712.7,1641.29 ; 4707.78,1542.87 U1.G31@4695.97,1542.87 4707.78,1542.87 ; 4707.78,1542.87 4715.65,1550.74 ; 4707.78,1542.87 4715.65,1550.74 ; 4712.7,1641.29 4726.48,1655.07 ; 4712.7,1641.29 4726.48,1655.07 ; 4715.65,1550.74 4761.91,1550.74 4715.65,1550.74 ; C10.1@4779.24,1567.08 4762.9,1550.74 C10.1@4779.24,1567.08 ; C10.1@4779.24,1567.08 4788.1,1567.08 C10.1@4779.24,1567.08
  Mid-Layer 2 w7.87: v1(4686.13,1641.29) 4739.42,1588 4743,1588 4758.61,1572.39 v1(4796.36,1572.39)
DECUSB: C8.1 U1.B6 | length 164
  Top Layer w7.36: C8.1@4400.69,1683.61 4423.96,1660.35 4461.03,1660.35 4496.4,1624.98 4496.4,1593.02 ; C8.1@4412.5,1683.61 C8.1@4412.5,1683.81 ; U1.B6@4491.24,1582.24 4496.4,1592.87
DHSD_N: D2.2 J2.2 R16.1 TP10.1 | length 1774.5
  Top Layer w6.5: J2.2@245.35,1275.59 ccw(c245.35,1369.96) 312.08,1303.23 D2.2@312.2,1303.35 324.33,1291.23 ccw(c378,1344.91) 378,1269 486.4,1269 ccw(c486.4,1369) 557.12,1298.29 574.33,1315.5 584.24,1325.44 cw(c634.1,1275.58) 634.1,1346.09 1285.67,1346.09 ccw(c1285.67,1397.47) 1322,1361.14 1477,1516.14 ; 1476.89,1516.24 cw(c1525.56,1467.58) 1525.15,1536.4 1709,1536.4 ; 1709,1536.16 cw(c1708.37,1467.34) v2(1777.19,1467.02)
  Mid-Layer 1 w6.5: v2(1756.37,1428.45) 1764.64,1436.72 ccw(c1734.35,1467.02) v2(1777.19,1467.02)
  Bottom Layer w6.5: v1(1250,1353) TP10.1@1250,1394
DHSD_P: D2.3 J2.3 R15.1 TP9.1 | length 1735.3
  Top Layer w6.5: J2.3@245.35,1250 246.16,1250 cw(c246.16,1156.61) D2.3@312.2,1222.65 320.91,1231.35 cw(c378,1174.27) 378,1255 486.49,1255 ccw(c486.49,1368.79) 566.95,1288.33 582.39,1303.77 594.57,1315.93 cw(c632.41,1278.1) 594.78,1316.13 ; 597.36,1318.66 cw(c629.48,1286.53) 629.48,1331.97 1295.67,1331.97 ccw(c1295.67,1383.35) 1332,1347.02 1483.94,1498.96 ; 1483.84,1499.06 cw(c1532.5,1450.4) 1532.1,1519.22 1703.9,1519.22 ; 1704.39,1519.22 cw(c1703.9,1465.86) 1757.26,1465.61 ; 1757.21,1465.14 ccw(c1775.41,1464.47) 1767.01,1448.31 cw(c1761.6,1430.94) R15.1@1779.8,1430.27
  Bottom Layer w6.5: v1(1427,1434) 1453,1408 TP9.1@1454,1408
EXT_VTG: P19.1 Q2.4 R8.1 SB47.2 | length 369.5
  Top Layer w10: P19.1@229.76,2224 285.99,2224 324.58,2262.59 R8.1@339.59,2262.59 ; SB47.2@326.7,2457 326.7,2443.1 326.7,2292.3 339.59,2279.41 R8.1@339.59,2262.59 ; R8.1@339.59,2262.22 R8.1@339.59,2262.59 ; Q2.4@383.14,2262.59 R8.1@339.59,2262.59